# Allegro board reServer industrial J401 Carrier Board v11.brd (continued)
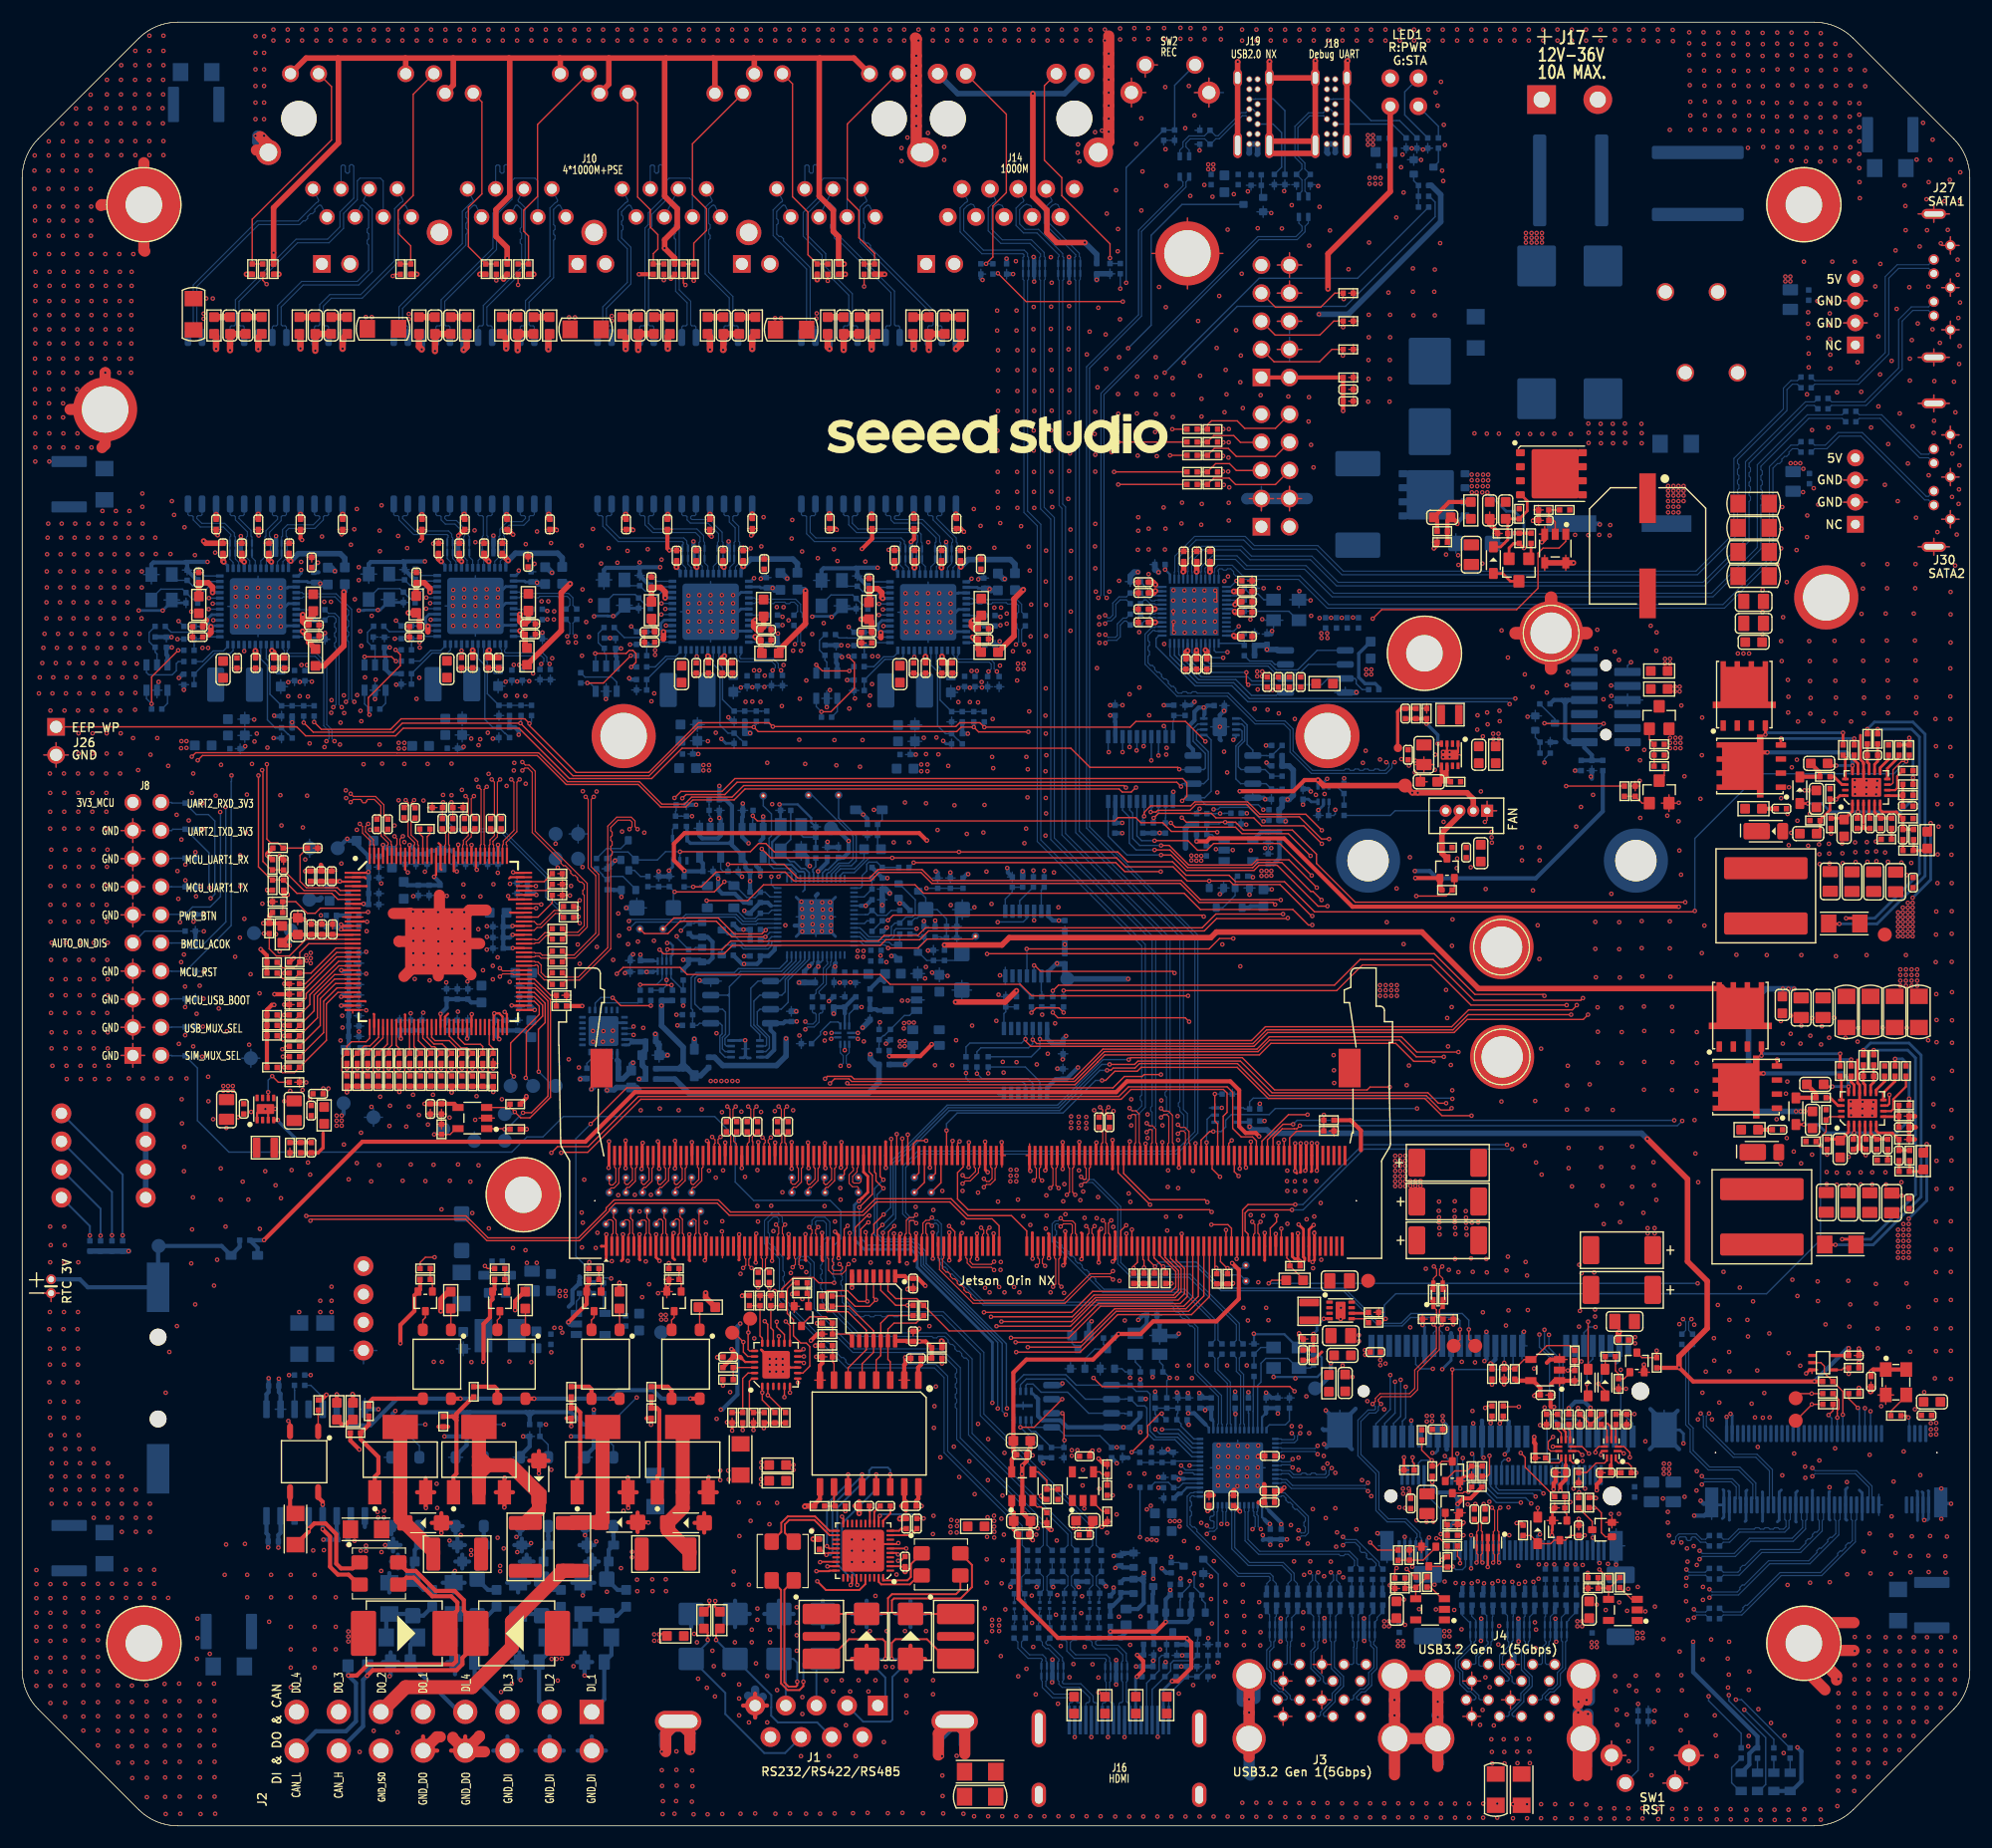
[diagram p0: board, top side]
## Routing (per net, layer and track width the routed paths; a pad name or vN(x,y) marks a point on that pad's centre or on a via; arc(x,y) is an arc through that point) (continued)
  TOP w0.178: 85.53,61.73 85.53,61.75 v1(85.55,61.77)
  TOP w0.203: 44.01,85.62 44.12,85.73 U63.95 ; U45.4 139.48,35.6 139.22,35.86 ; 31.05,85.62 30.95,85.73 U63.2 ; 30.88,81.76 30.84,81.73 U63.12 ; U63.50 38.21,73.11 38.5,73.4 ; 37.89,86.39 37.81,86.48 U63.112 37.81,88.64 37.63,88.81 ; U51.9 69.39,41.42 69.16,41.66 v1(68.72,41.66) ; U63.30 31,74.53 31.03,74.49 ; v1(44.24,74.14) 44.25,74.13 U63.66 ; U63.34 31.81,73.33 31.76,73.38 ; 32.2,86.48 32.21,86.49 U63.126 ; U63.104 41.01,86.48 v1(41.09,86.41) ; U63.90 44,83.73 43.98,83.74 ; U63.41 34.61,73.3 34.58,73.32 ; U64.1 21.23,64.41 21.61,64.78 v1(21.98,64.78) 22.23,64.53 U64.3 ; U63.4 31.11,84.93 31.13,84.91 ; U63.109 39.01,86.28 39,86.28 ; U63.120 34.61,86.43 34.64,86.41 ; 42.61,71.04 42.61,71.04 U63.61 42.61,73.27 42.66,73.33 v1(42.66,73.43) 43.12,73.43 43.41,73.14 U63.63 ; U63.87 44.13,82.53 44.11,82.54 ; 143.26,36.37 143.54,36.08 143.54,35.95 143.6,35.89 U46.4 ; v1(40.63,73.35) 40.61,73.33 U63.56 ; U77.3 128.75,97.04 U77.9 129.52,96.79 129.75,97.03 U77.1 ; U43.8 132.44,23.4 v1(132.43,23.39)
  TOP w0.254: 115.29,51.25 115.28,51.26 J9.243 v1(115.28,53.55) ; 115.29,51.25 115.43,51.11 v1(115.43,51.03) ; 115.29,51.25 114.98,51.25 114.78,51.44 J9.241 114.78,53.49 114.75,53.52 ; 166.11,98.55 166.11,96.37 166.38,96.1 166.38,95.97 166.39,95.96 U31.14 166.39,94.1 v1(166.64,93.85) ; 116.78,53.7 116.78,53.6 ; 116.78,53.6 J9.249 116.78,51.13 v1(116.6,50.95) ; 116.78,53.6 v1(116.75,53.57) ; v1(82.28,53.6) J9.119 82.28,51.28 v1(82.3,51.26) ; v1(58.87,53.57) 58.87,53.53 58.78,53.44 J9.25 58.78,51.35 58.97,51.16 ; 63.53,61.81 v1(63.53,61.75) J9.44 ; J9.1 52.35,52.38 52.34,52.38 ; J9.1 52.78,51.29 52.75,51.26 ; J9.1 52.78,53.44 v1(52.79,53.45) ; 166.04,61.62 166.53,61.13 ; 166.04,61.62 165.54,61.13 ; 166.04,61.62 U25.3 ; 166.04,61.62 166.04,61.35 ; 166.53,61.13 166.26,61.13 ; 166.53,61.13 C116.2 ; v1(116.53,61.7) J9.248 116.53,59.16 116.48,59.11 ; v1(117.01,61.67) 117.03,61.65 J9.250 117.03,59.26 v1(116.98,59.21) ; v1(61.69,51.11) 61.78,51.2 J9.37 61.78,53.44 v1(61.79,53.45) ; C222.2 v1(140.66,27.74) ; v1(66.51,61.79) 66.53,61.77 J9.56 ; D66.1 v1(129.32,45.31) ; v1(94.02,61.78) 94.03,61.77 J9.158 94.03,59.37 v1(94.02,59.36) 94.02,59.31 ; v1(112.28,53.59) J9.231 112.28,51.11 112.29,51.11 ; v1(73.45,53.7) 73.78,53.37 J9.85 v1(73.78,51.3) ; 92.73,53.55 92.78,53.49 J9.153 v1(92.78,51.29) ; J9.38 62.03,61.76 v1(61.89,61.9) ; 165.82,61.13 165.54,61.13 ; 165.82,61.13 166.26,61.13 ; 165.82,61.13 166.04,61.35 ; 165.54,61.13 C112.2 ; 166.17,90.14 166.39,90.36 166.61,90.14 ; 166.17,90.14 C128.2 ; 166.17,90.14 166.61,90.14 ; v1(97.5,53.95) 97.28,53.73 J9.171 v1(97.28,50.91) ; J9.50 v1(65.03,59.45) ; v1(69.54,61.78) 69.53,61.77 J9.68 69.53,59.39 v1(69.54,59.39) ; 115.49,59.06 115.53,59.1 J9.244 v1(115.53,61.67) ; 55.85,51.13 55.78,51.2 J9.13 55.78,53.44 v1(55.79,53.45) ; v1(95.53,61.8) J9.164 ; v1(66.34,53.52) 66.34,53.5 66.28,53.44 J9.55 66.28,50.91 v1(66.29,50.9) ; v1(87.25,59.07) 87.03,59.29 J9.138 87.03,61.81 v1(87.01,61.83) ; v1(79.37,53.49) 79.28,53.41 J9.107 79.28,50.96 79.29,50.95 ; v1(57.45,61.85) 57.53,61.77 J9.20 57.53,59.42 v1(57.57,59.39) ; J9.144 88.53,61.76 v1(88.51,61.78) ; 115.18,58.98 115.03,59.13 v1(115.03,59.18) J9.242 v1(115.03,61.68) ; 165.85,69.22 165.85,67.14 166.04,66.96 U25.14 166.04,65.09 U25.21 ; v1(56.08,61.72) 56.03,61.68 J9.14 56.03,59.53 55.97,59.47 v1(55.97,59.36) ; 166.26,61.13 166.04,61.35 ; D65.1 v1(126.55,45.26) ; 54.14,51.06 54.28,51.19 J9.7 54.28,53.44 v1(54.29,53.45) ; v1(129.95,30.47) 129.9,30.52 Q26.2 129.9,31.22 130.23,31.55 130.29,31.55 130.33,31.59 R305.2 ; 66.79,43.02 68.13,41.68 U51.25 ; v1(72.28,53.59) J9.79 72.28,51.13 72.36,51.06 ; v1(52.99,59.46) 53.03,59.5 J9.2 v1(53.03,61.85) ; v1(83.78,53.62) J9.125 v1(83.78,51.11) ; v1(94.07,50.65) 94.23,50.8 94.23,51.21 94.23,51.21 94.23,51.32 94.28,51.37 J9.159 94.28,53.69 v1(94.25,53.72) ; R326.2 138.28,28.53 Q33.2 138.28,26.76 138.24,26.71 v1(138.24,26.26) ; v1(98.55,51) 98.78,51.23 J9.177 98.78,53.66 98.75,53.7 ; v1(80.78,53.55) J9.113 80.78,51.2 80.61,51.03 ; v1(115.94,59.21) 116.03,59.3 J9.246 v1(116.03,61.7) ; v1(69.26,53.47) 69.28,53.45 J9.67 69.28,51.33 69.21,51.26 ; v1(116.7,54.3) 116.28,53.88 J9.247 116.28,51.09 116.27,51.08 ; U43.3 U43.8 ; v1(60.52,61.78) 60.53,61.76 J9.32 ; J9.146 91.03,59.26 v1(91.1,59.18) ; 64.76,51.13 64.78,51.15 J9.49 64.78,53.44 v1(64.79,53.45) ; J9.201 v1(104.78,53.51) ; v1(73.98,59.49) 74.03,59.54 J9.86 v1(74.03,61.78) 74.01,61.8 ; v1(72.53,61.7) 72.53,61.7 J9.80 72.53,59.49 v1(72.59,59.44) ; v1(86.3,51.23) 86.28,51.25 J9.135 v1(86.28,53.52) ; J9.152 92.53,59.32 v1(92.45,59.24) ; 70.83,51.08 70.78,51.13 J9.73 v1(70.78,53.47) ; v1(124.86,33.3) R291.2 ; v1(59,61.9) 59.03,61.87 J9.26 59.03,59.46 v1(58.99,59.41) ; 60.34,51.06 60.28,51.12 J9.31 60.28,53.44 v1(60.29,53.45) ; U34.3 161.53,41.21 v1(161.21,40.88) ; R383.2 v1(64.16,35.72) ; v1(87.78,53.53) J9.141 ; v1(57.6,51.06) 57.28,51.37 J9.19 57.28,53.44 v1(57.29,53.45) ; 91.28,53.6 J9.147 91.28,51.28 v1(91.3,51.26) ; v1(95.72,51.21) 95.72,51.29 95.78,51.34 J9.165 95.78,53.51 95.7,53.6 ; v1(71.06,59.44) 71.03,59.47 J9.74 71.03,61.73 v1(71.01,61.75) ; 85.53,61.73 J9.132 v1(85.53,59.51) ; v1(54.53,61.93) 54.53,61.92 J9.8 v1(54.53,59.44) ; 166.61,90.14 C127.2 ; 98.52,59.36 98.53,59.37 J9.176 v1(98.53,61.98) ; 78.02,61.83 78.03,61.82 J9.102 78.03,59.48 v1(78.05,59.46) ; 166.39,90.63 U31.3 ; 115.89,51.11 115.89,51.3 115.78,51.41 J9.245 115.78,53.91 v1(115.35,54.35) ; 84.65,51.06 84.78,51.19 J9.129 84.78,53.45 v1(84.9,53.57) ; v1(68.04,61.75) 68.03,61.74 J9.62 ; J9.61 67.78,51.08 v1(67.76,51.06) ; R381.2 v1(66.09,35.77) ; J9.200 v1(104.53,59.49) ; J9.170 97.03,61.71 v1(97.07,61.75)
  TOP w0.381: U53.3 138.07,42.14 137.77,41.85 ; v1(35.98,116.16) 36.13,116.31 C425.2 ; v1(127.57,115.45) 127.86,115.74 R369.2 ; v1(97.26,33.19) 97.77,32.68 R222.2 ; v1(138.38,30.42) 138.38,30.94 138.56,31.12 C221.2 ; R346.2 58.44,48.95 v1(58.35,48.87) 58.25,48.77 Q39.2 ; C167.2 96.43,26.68 v1(96.31,26.8) 96.37,26.8 96.75,27.18 C163.2 ; 111.73,29.21 111.75,29.23 C18.2 C19.2 112.25,30.85 112.21,30.89 ; D10.1 v1(60.69,139.63) ; v1(58.63,139.82) 58.97,140.15 D3.1 ; C495.2 80.59,116.29 v1(80.32,116.02) ; C225.2 79.88,42.26 v1(79.8,42.34) 79.8,41.75 79.7,41.65 79.7,40.3 ; C156.2 96.47,33.66 v1(96.72,33.91) ; R504.2 v1(32.19,68.46) ; 171.06,64.11 171.04,64.14 R178.2 C134.2 ; v1(165.98,43.13) C151.1 ; C38.2 107.68,29.88 ; C322.2 27.02,86.82 26.98,86.86 ; C322.2 27.48,86.28 v1(27.52,86.32) 27.55,86.28 C323.2 ; C322.2 C321.2 25.61,86.28 v1(25.59,86.26) ; v1(74.98,48.63) U47.7 74.98,49.85 ; v1(55.21,117.1) 55.15,117.15 C462.2 ; R461.2 v1(22.8,75.15) ; R74.2 115.38,44.37 v1(115.38,44.5) ; C502.2 73.49,117.23 v1(73.6,117.12) ; v1(75.89,115.39) 76.81,116.31 C496.2 ; C409.2 25.15,116.35 v1(25.29,116.21) ; R506.2 v1(33.13,68.46) ; R470.2 v1(23.69,72.33) ; R490.2 v1(29.34,68.45) ; v1(62.81,42.34) 62.85,42.38 C260.2 ; R514.2 v1(36.94,68.46) ; 23.63,84.52 23.63,84.13 23.97,84.13 v1(23.99,84.15) 23.63,84.52 ; 23.63,84.52 C397.2 ; C415.2 17.53,116.78 v1(17.67,116.64) ; v1(34.18,43.61) 34.18,45.27 35.44,46.53 35.44,47.93 35.77,48.26 Q42.2 35.96,48.47 R349.2 ; C220.2 109.46,30.33 109.52,30.38 ; R233.2 v1(97.56,27) ; C293.2 138.11,37.91 138.17,37.85 v1(138.42,37.85) ; v1(21.38,116.61) 21.34,116.65 C410.2 ; R474.2 v1(23.69,68.55) ; v1(142.28,30.33) 142.28,30.85 142.62,31.19 C224.2 ; v1(65.88,116.61) 65.98,116.71 C297.2 ; v1(71.28,43.86) 71.87,44.45 R344.1 ; R478.2 v1(40.68,68.45) ; C419.2 39.97,117.15 v1(39.41,116.59) ; v1(81.07,44.94) 80.84,44.7 C228.2 ; C134.2 170.51,62.03 R180.2 171.01,62.03 171.04,62.05 ; C134.2 171.09,63.15 171.11,63.12 ; v1(136.52,117.93) 136.55,117.97 C249.2 137.02,117.98 R378.2 ; C218.2 v1(133.91,39.91) ; v1(92.06,29.81) 92.37,29.5 R224.2 ; 138.17,39.93 138.48,40.24 U53.1 138.93,40.22 R316.2 ; v1(44.37,116.69) 43.9,117.15 C418.2 ; C417.2 48.25,117.15 v1(48.3,117.1) ; R319.1 136.73,34.53 136.63,34.63 v1(136.63,35.15) ; R348.2 42.69,48.47 Q41.2 42.5,47.59 42.28,47.36 42.28,45.95 41.69,45.36 41.69,41.96 v1(41.67,41.93) ; R236.2 92.59,27.06 92.91,26.75 v1(93.01,26.75) ; C408.2 28.96,116.81 v1(28.87,116.72) ; v1(49.36,45.52) 51.01,47.17 Q40.2 51.01,48.74 51.2,48.93 R347.2 ; v1(137.33,116) 137.58,116.26 U49.3 ; v1(58.49,115.27) 58.31,115.45 C456.2 ; R372.2 133.32,116.96 v1(132.81,117.46) ; R466.2 v1(23.69,77.06) ; C494.2 84.82,117.23 v1(85.11,116.94) ; R468.2 v1(23.69,73.27) ; v1(130.24,27.41) 130.05,27.22 R297.2 129.7,28.09 Q25.2 ; R500.2 v1(30.28,68.46) ; R464.2 v1(24.52,78.41) ; R462.2 v1(23.69,74.21) ; R482.2 v1(41.62,68.45) ; C229.2 80.06,48.55 v1(80,48.49) ; D71.1 v1(55.74,140.22) ; v1(62.3,116.51) 62.14,116.67 C455.2 ; R492.2 v1(37.86,68.46) ; R496.2 v1(39.74,68.45) ; C20.2 111.72,33.43 v1(111.66,33.37) ; R472.2 v1(23.69,71.39) ; R508.2 v1(34.07,68.46) ; R494.2 v1(38.8,68.45) ; 72.08,40.3 72.08,41.61 72.3,41.82 R335.1 v1(71.76,42.39) ; D45.1 115.48,50.99 v1(115.43,51.03) ; R512.2 v1(36,68.46) ; v1(91.32,25.82) 90.96,26.18 C168.2 91.12,26.51 C164.2 90.37,28.29 U36.2 v1(90.37,32.57) 90.79,32.98 C155.2 90.79,33.74 v1(91.03,33.98) 91.09,34.05 C154.2 ; R510.2 v1(35.03,68.46) ; R498.2 v1(31.22,68.46) ; R460.2 v1(23.69,76.09) ; R484.2 v1(42.56,68.45) ; v1(146.55,41.68) 146.55,41.1 ; C398.2 v1(23.28,87.64)
  TOP w0.508: v1(140.18,114.14) U49.5 U49.4 ; D102.1 43.5,139.89 v1(43.5,139.78) ; v1(144.32,44.64) 144.25,44.57 C226.1 ; D100.1 v1(20.27,140.22) ; D96.1 v1(23.2,140.22) ; D73.1 v1(77.94,140.22) ; C251.2 132.61,117.67 v1(132.81,117.46) ; D74.1 v1(71.84,139.72) ; C281.2 16.6,115.91 v1(16.4,116.11) ; D97.1 v1(35.67,140.22) ; D103.1 v1(46.24,140.22) ; v1(167.02,39.25) 167.07,39.29 C179.2 ; D104.1 v1(41.36,140.22) ; D72.1 v1(74.38,140.22)
  TOP w1.016: v1(37.61,79.93) 37.8,79.73 41.34,79.73 ; v1(37.61,79.93) 37.61,79.86 ; v1(37.61,79.93) 35.08,82.45 33.55,82.45 ; v1(37.61,79.93) 37.71,80.03 ; v1(37.61,79.93) 34.06,79.93 34.05,79.94 ; 37.61,79.86 37.61,79.86 ; 37.61,79.86 34.51,76.76 ; 37.61,79.86 37.61,76.81 ; 37.61,79.86 40.56,76.91 ; 37.71,80.03 40.44,82.76 41.93,82.76 ; 37.71,80.03 37.71,84.1
  TOP w1.143: 134.95,107.78 MH16.1 ; MH16.1 141.37,107.78 ; MH16.1 138.16,110.99 ; MH16.1 138.16,104.58
  PWR02 w0.635: 173.59,121.89 J30.G2 ; J30.G2 174.9,121.89 ; J30.G2 174.24,121.24 ; J30.G2 174.24,122.54 ; J30.G1 174.24,126.35 ; J30.G1 174.9,125.7 ; J30.G1 174.24,125.05 ; J30.G1 173.59,125.7 ; J28.2 165.66,136.76 ; J28.2 165.66,134.88 ; J28.2 166.6,135.82 ; J28.2 164.72,135.82 ; 174.24,138.36 J27.G2 ; J27.G2 174.9,139.01 ; J27.G2 174.24,139.66 ; J27.G2 173.59,139.01 ; 165.66,118.68 J29.2 ; J29.2 165.66,120.56 ; J29.2 166.6,119.62 ; J29.2 164.72,119.62 ; 172.74,132.08 J27.S2 ; J27.S2 172.74,133.34 ; J27.S2 171.46,132.71 ; J27.S2 174.02,132.71 ; J30.G3 174.9,118.08 ; J30.G3 173.59,118.08 ; J30.G3 174.24,118.73 ; J30.G3 174.24,117.43 ; J29.3 166.6,121.62 ; J29.3 164.72,121.62 ; J29.3 165.66,122.56 ; J29.3 165.66,120.68 ; 172.74,145.04 J27.S1 ; J27.S1 174.02,145.67 ; J27.S1 172.74,146.3 ; J27.S1 171.46,145.67 ; 165.66,136.88 J28.3 ; J28.3 164.72,137.82 ; J28.3 165.66,138.76 ; J28.3 166.6,137.82 ; 174.24,134.55 J27.G3 ; J27.G3 174.9,135.2 ; J27.G3 174.24,135.85 ; J27.G3 173.59,135.2 ; J30.S2 172.74,116.22 ; J30.S2 174.02,115.59 ; J30.S2 171.46,115.59 ; J30.S2 172.74,114.96 ; J27.G1 174.24,143.47 ; J27.G1 173.59,142.82 ; J27.G1 174.9,142.82 ; J27.G1 174.24,142.17 ; J30.S1 174.02,128.55 ; J30.S1 172.74,127.92 ; J30.S1 172.74,129.18 ; J30.S1 171.46,128.55
  LAY3 w0.381: 113.94,12.29 J3.13 ; J3.13 113.14,13.09 ; J3.13 113.94,13.9 ; J3.13 114.75,13.09 ; 174.24,124.92 J30.G1 ; J30.G1 175.02,125.7 ; J30.G1 174.24,126.48 ; J30.G1 173.46,125.7 ; J8.11 10.01,83.39 ; J8.11 8.94,82.32 ; J8.11 11.07,82.32 ; J8.11 10.01,81.26 ; J8.1 10.01,70.69 ; J8.1 8.94,69.62 ; J8.1 11.07,69.62 ; J8.1 10.01,68.56 ; 174.24,142.04 J27.G1 ; J27.G1 174.24,143.6 ; J27.G1 175.02,142.82 ; J27.G1 173.46,142.82 ; 10.01,88.88 J8.17 ; J8.17 10.01,91.01 ; J8.17 8.94,89.94 ; J8.17 11.07,89.94 ; J8.7 10.01,78.31 ; J8.7 8.94,77.24 ; J8.7 10.01,76.18 ; J8.7 11.07,77.24 ; 111.98,118.84 J25.3 ; J25.3 113.09,119.94 ; J25.3 111.98,121.05 ; J25.3 110.88,119.94 ; 133.69,11.39 J4.7 ; J4.7 134.49,12.2 ; J4.7 134.49,10.59 ; J4.7 135.3,11.39 ; 133.69,14.59 J4.16 ; J4.16 135.3,14.59 ; J4.16 134.49,15.4 ; J4.16 134.49,13.79 ; 171.34,145.67 J27.S1 ; J27.S1 174.15,145.67 ; J27.S1 172.74,146.42 ; J27.S1 172.74,144.91 ; 174.24,138.23 J27.G2 ; J27.G2 175.02,139.01 ; J27.G2 173.46,139.01 ; J27.G2 174.24,139.79 ; J27.S2 174.15,132.71 ; J27.S2 171.34,132.71 ; J27.S2 172.74,133.46 ; J27.S2 172.74,131.95 ; SW2.3 107.24,157.94 ; SW2.3 107.24,155.33 ; SW2.3 105.93,156.64 ; J8.15 11.07,87.4 ; J8.15 8.94,87.4 ; J8.15 10.01,88.47 ; J8.15 10.01,86.34 ; J28.3 165.66,138.89 ; J28.3 164.59,137.82 ; J28.3 166.72,137.82 ; 101.49,158.03 SW2.2 102.59,159.14 ; 113.14,9.89 J3.4 ; J3.4 113.94,10.7 ; J3.4 114.75,9.89 ; J3.4 113.94,9.09 ; 150.62,5.06 SW1.4 ; SW1.4 149.31,6.36 ; SW1.4 151.93,6.36 ; SW1.4 150.62,7.67 ; 114.52,134.86 J15.6 ; J15.6 113.42,135.97 ; J15.6 115.63,135.97 ; J15.6 114.52,137.07 ; 130.99,12.29 J4.13 ; J4.13 130.19,13.09 ; J4.13 130.99,13.9 ; J4.13 131.8,13.09 ; 116.64,14.59 J3.16 ; J3.16 117.44,15.4 ; J3.16 118.25,14.59 ; J3.16 117.44,13.79 ; 165.66,122.69 J29.3 166.72,121.62 ; J28.2 166.72,135.82 ; J28.2 165.66,134.76 ; J28.2 164.59,135.82 ; 148.26,3.86 SW1.2 ; SW1.2 150.48,3.86 ; SW1.2 149.37,4.97 ; J7.1 132.38,92.59 ; J7.1 132.38,90.88 ; J7.1 133.23,91.73 ; 10.01,73.64 J8.5 ; J8.5 11.07,74.7 ; J8.5 10.01,75.77 ; J8.5 8.94,74.7 ; SW2.4 100.24,157.94 ; SW2.4 101.54,156.64 ; SW2.4 100.24,155.33 ; 172.74,114.83 J30.S2 ; J30.S2 172.74,116.35 ; J30.S2 174.15,115.59 ; J30.S2 171.34,115.59 ; J30.S1 172.74,129.31 ; J30.S1 171.34,128.55 ; J30.S1 174.15,128.55 ; J30.S1 172.74,127.79 ; J27.G3 175.02,135.2 ; J27.G3 174.24,134.42 ; J27.G3 173.46,135.2 ; J27.G3 174.24,135.98 ; 143.62,5.06 SW1.3 ; SW1.3 144.93,6.36 ; SW1.3 143.62,7.67 ; J30.G3 175.02,118.08 ; J30.G3 174.24,117.3 ; J30.G3 173.46,118.08 ; J30.G3 174.24,118.86 ; J15.10 115.63,141.05 ; J15.10 113.42,141.05 ; J15.10 114.52,142.15 ; 113.42,133.43 J15.4 ; J15.4 114.52,134.53 ; J15.4 115.63,133.43 ; J15.4 114.52,132.32 ; 174.24,121.11 J30.G2 ; J30.G2 175.02,121.89 ; J30.G2 173.46,121.89 ; J30.G2 174.24,122.67 ; J26.2 4.17,96.78 ; J26.2 3.07,97.88 ; J26.2 1.96,96.78 ; J26.2 3.07,95.67 ; 105.3,139.64 MH13.1 ; MH13.1 105.3,144.56 ; MH13.1 107.76,142.1 ; MH13.1 102.84,142.1 ; 130.19,9.89 J4.4 ; J4.4 130.99,9.09 ; J4.4 131.8,9.89 ; J3.7 118.25,11.39 ; J3.7 116.64,11.39 ; J3.7 117.44,10.59 ; J3.7 117.44,12.2 ; J12.1 3.37,48.14 ; J12.1 1.86,48.14 ; J12.1 2.62,47.38 ; J15.8 115.63,138.51 ; J15.8 113.42,138.51 ; J15.8 114.52,137.4 ; 10.01,71.1 J8.3 ; J8.3 10.01,73.23 ; J8.3 11.07,72.16 ; J8.3 8.94,72.16 ; 10.01,83.8 J8.13 ; J8.13 11.07,84.86 ; J8.13 8.94,84.86 ; J8.13 10.01,85.93 ; 114.52,118.84 J25.4 ; J25.4 114.52,121.05 ; J25.4 113.42,119.94 ; J25.4 115.63,119.94
  LAY3 w1.143: 138.16,104.58 MH16.1 ; MH16.1 134.95,107.78 ; MH16.1 141.37,107.78 ; MH16.1 138.16,110.99
  LAY4 w0.381: 173.46,118.08 J30.G3 ; J30.G3 175.02,118.08 ; J30.G3 174.24,118.86 ; J30.G3 174.24,117.3 ; 105.3,139.64 MH13.1 ; MH13.1 105.3,144.56 ; MH13.1 102.84,142.1 ; MH13.1 107.76,142.1 ; 8.94,72.16 J8.3 ; J8.3 10.01,73.23 ; J8.3 11.07,72.16 ; J8.3 10.01,71.1 ; J27.S2 172.74,133.46 ; J27.S2 172.74,131.95 ; J27.S2 171.34,132.71 ; J27.S2 174.15,132.71 ; J29.2 166.72,119.62 ; J29.2 164.59,119.62 ; J29.2 165.66,118.55 ; 117.44,10.59 J3.7 ; J3.7 116.64,11.39 ; J3.7 117.44,12.2 ; 134.49,10.59 J4.7 ; J4.7 133.69,11.39 ; J4.7 134.49,12.2 ; J8.1 10.01,70.69 ; J8.1 10.01,68.56 ; J8.1 8.94,69.62 ; J8.1 11.07,69.62 ; J27.G3 174.24,135.98 ; J27.G3 175.02,135.2 ; J27.G3 174.24,134.42 ; J27.G3 173.46,135.2 ; J28.3 165.66,138.89 ; J28.3 166.72,137.82 ; J28.3 164.59,137.82 ; 8.94,77.24 J8.7 ; J8.7 10.01,76.18 ; J8.7 11.07,77.24 ; J8.7 10.01,78.31 ; 172.74,144.91 J27.S1 ; J27.S1 171.34,145.67 ; J27.S1 174.15,145.67 ; J27.S1 172.74,146.42 ; J4.13 130.99,13.9 ; J4.13 131.8,13.09 ; J4.13 130.19,13.09 ; J4.13 130.99,12.29 ; J3.13 114.75,13.09 ; J3.13 113.94,13.9 ; J3.13 113.14,13.09 ; J3.13 113.94,12.29 ; 172.74,114.83 J30.S2 ; J30.S2 174.15,115.59 ; J30.S2 172.74,116.35 ; J30.S2 171.34,115.59 ; 2.62,47.38 J12.1 ; J12.1 1.86,48.14 ; J12.1 3.37,48.14 ; 113.42,135.97 J15.6 ; J15.6 115.63,135.97 ; J15.6 114.52,134.86 ; J15.6 114.52,137.07 ; 1.96,96.78 J26.2 ; J26.2 3.07,97.88 ; J26.2 3.07,95.67 ; J26.2 4.17,96.78 ; SW1.4 151.93,6.36 ; SW1.4 150.62,7.67 ; SW1.4 149.31,6.36 ; SW1.4 150.62,5.06 ; 148.26,3.86 SW1.2 ; SW1.2 149.37,4.97 ; SW1.2 150.48,3.86 ; J27.G1 175.02,142.82 ; J27.G1 174.24,142.04 ; J27.G1 174.24,143.6 ; J27.G1 173.46,142.82 ; J8.11 10.01,83.39 ; J8.11 10.01,81.26 ; J8.11 11.07,82.32 ; J8.11 8.94,82.32 ; 113.14,9.89 J3.4 ; J3.4 113.94,9.09 ; J3.4 113.94,10.7 ; J3.4 114.75,9.89 ; SW2.3 107.24,157.94 ; SW2.3 105.93,156.64 ; SW2.3 108.54,156.64 ; SW2.3 107.24,155.33 ; J28.2 166.72,135.82 ; J28.2 164.59,135.82 ; J28.2 165.66,134.76 ; 113.42,138.51 J15.8 ; J15.8 114.52,137.4 ; J15.8 114.52,139.61 ; J15.8 115.63,138.51 ; 101.49,158.03 SW2.2 102.59,159.14 ; J3.16 117.44,15.4 ; J3.16 116.64,14.59 ; J3.16 117.44,13.79 ; J29.3 166.72,121.62 ; J29.3 165.66,122.69 ; J29.3 164.59,121.62 ; 10.01,73.64 J8.5 ; J8.5 11.07,74.7 ; J8.5 10.01,75.77 ; J8.5 8.94,74.7 ; J8.13 10.01,85.93 ; J8.13 11.07,84.86 ; J8.13 10.01,83.8 ; J8.13 8.94,84.86 ; SW2.4 101.54,156.64 ; SW2.4 100.24,157.94 ; SW2.4 100.24,155.33 ; 8.94,89.94 J8.17 ; J8.17 11.07,89.94 ; J8.17 10.01,88.88 ; J8.17 10.01,91.01 ; 174.24,138.23 J27.G2 ; J27.G2 174.24,139.79 ; J27.G2 173.46,139.01 ; J27.G2 175.02,139.01 ; J15.10 115.63,141.05 ; J15.10 113.42,141.05 ; J15.10 114.52,142.15 ; J15.10 114.52,139.94 ; J15.4 115.63,133.43 ; J15.4 113.42,133.43 ; J15.4 114.52,134.53 ; J15.4 114.52,132.32 ; J4.4 131.8,9.89 ; J4.4 130.99,9.09 ; J4.4 130.19,9.89 ; 173.46,121.89 J30.G2 ; J30.G2 174.24,121.11 ; J30.G2 175.02,121.89 ; J30.G2 174.24,122.67 ; J8.15 11.07,87.4 ; J8.15 8.94,87.4 ; J8.15 10.01,88.47 ; J8.15 10.01,86.34 ; 134.49,13.79 J4.16 ; J4.16 134.49,15.4 ; J4.16 133.69,14.59 ; 173.46,125.7 J30.G1 ; J30.G1 174.24,126.48 ; J30.G1 174.24,124.92 ; J30.G1 175.02,125.7 ; SW1.3 143.62,7.67 ; SW1.3 143.62,5.06 ; SW1.3 144.93,6.36 ; 171.34,128.55 J30.S1 ; J30.S1 174.15,128.55 ; J30.S1 172.74,129.31 ; J30.S1 172.74,127.79
  LAY4 w1.143: MH16.1 141.37,107.78 ; MH16.1 138.16,104.58 ; MH16.1 134.95,107.78 ; MH16.1 138.16,110.99
  GND05 w0.305: J19.A1 110.69,157.63 110.69,157.46 ; 111.9,157.43 111.9,157.57 J19.B12 ; J18.B12 118.92,157.57 118.92,157.43 ; 117.7,157.46 117.7,157.63 J18.A1
  GND05 w0.381: 9.07,74.7 J8.5 ; J8.5 10.01,75.64 ; J8.5 10.01,73.76 ; J8.5 10.95,74.7 ; J3.13 114.62,13.09 ; J3.13 113.94,12.41 ; J3.13 113.94,13.77 ; J3.13 113.26,13.09 ; J29.2 165.66,120.56 ; J29.2 165.66,118.68 ; J29.2 164.72,119.62 ; J29.2 166.6,119.62 ; 174.24,125.05 J30.G1 ; J30.G1 174.9,125.7 ; J30.G1 174.24,126.35 ; J30.G1 173.59,125.7 ; 102.97,142.1 MH13.1 ; MH13.1 105.3,139.77 ; MH13.1 107.63,142.1 ; MH13.1 105.3,144.43 ; J30.G3 174.9,118.08 ; J30.G3 173.59,118.08 ; J30.G3 174.24,118.73 ; J30.G3 174.24,117.43 ; J15.8 114.52,139.49 ; J15.8 114.52,137.53 ; J15.8 113.54,138.51 ; J15.8 115.5,138.51 ; 102.47,159.14 SW2.2 101.49,158.16 ; 113.54,135.97 J15.6 ; J15.6 115.5,135.97 ; J15.6 114.52,134.99 ; J15.6 114.52,136.95 ; 10.01,89 J8.17 ; J8.17 10.95,89.94 ; J8.17 10.01,90.88 ; J8.17 9.07,89.94 ; J8.11 10.95,82.32 ; J8.11 9.07,82.32 ; J8.11 10.01,83.26 ; J8.11 10.01,81.38 ; 164.72,135.82 J28.2 ; J28.2 165.66,136.76 ; J28.2 166.6,135.82 ; J28.2 165.66,134.88 ; SW1.4 150.62,7.54 ; SW1.4 149.44,6.36 ; SW1.4 150.62,5.19 ; SW1.4 151.8,6.36 ; 111.98,118.96 J25.3 ; J25.3 111,119.94 ; J25.3 112.96,119.94 ; J25.3 111.98,120.92 ; 130.31,13.09 J4.13 ; J4.13 131.67,13.09 ; J4.13 130.99,13.77 ; J4.13 130.99,12.41 ; J3.4 114.62,9.89 ; J3.4 113.26,9.89 ; J3.4 113.94,10.57 ; J3.4 113.94,9.21 ; 173.59,121.89 J30.G2 ; J30.G2 174.24,122.54 ; J30.G2 174.24,121.24 ; J30.G2 174.9,121.89 ; J15.4 115.5,133.43 ; J15.4 114.52,132.45 ; J15.4 113.54,133.43 ; J15.4 114.52,134.41 ; J15.10 114.52,142.03 ; J15.10 114.52,140.07 ; J15.10 113.54,141.05 ; J15.10 115.5,141.05 ; J27.S2 172.74,133.34 ; J27.S2 171.46,132.71 ; J27.S2 174.02,132.71 ; J27.S2 172.74,132.08 ; U10.1 31.92,42.96 ; U10.1 29.77,42.96 ; U10.1 30.84,41.88 ; J8.15 10.95,87.4 ; J8.15 10.01,86.46 ; J8.15 9.07,87.4 ; J8.15 10.01,88.34 ; 173.59,135.2 J27.G3 ; J27.G3 174.24,135.85 ; J27.G3 174.24,134.55 ; J27.G3 174.9,135.2 ; J12.1 3.24,48.14 ; J12.1 1.99,48.14 ; J12.1 2.62,47.51 ; 133.81,14.59 J4.16 ; J4.16 134.49,13.91 ; J4.16 134.49,15.27 ; J4.16 135.17,14.59 ; J28.3 166.6,137.82 ; J28.3 164.72,137.82 ; J28.3 165.66,138.76 ; J28.3 165.66,136.88 ; J25.4 114.52,120.92 ; J25.4 115.5,119.94 ; J25.4 113.54,119.94 ; J25.4 114.52,118.96 ; 10.01,71.22 J8.3 ; J8.3 10.01,73.1 ; J8.3 10.95,72.16 ; J8.3 9.07,72.16 ; 130.99,9.21 J4.4 ; J4.4 130.99,10.57 ; J4.4 131.67,9.89 ; J4.4 130.31,9.89 ; 107.24,155.46 SW2.3 ; SW2.3 106.06,156.64 ; SW2.3 108.42,156.64 ; SW2.3 107.24,157.81 ; 9.07,77.24 J8.7 ; J8.7 10.95,77.24 ; J8.7 10.01,78.18 ; J8.7 10.01,76.3 ; J4.7 135.17,11.39 ; J4.7 134.49,10.71 ; J4.7 133.81,11.39 ; J4.7 134.49,12.07 ; SW2.4 101.42,156.64 ; SW2.4 100.24,157.81 ; SW2.4 100.24,155.46 ; 172.74,145.04 J27.S1 ; J27.S1 172.74,146.3 ; J27.S1 174.02,145.67 ; J27.S1 171.46,145.67 ; 164.72,121.62 J29.3 ; J29.3 166.6,121.62 ; J29.3 165.66,122.56 ; J29.3 165.66,120.68 ; J8.1 10.01,70.56 ; J8.1 10.01,68.68 ; J8.1 10.95,69.62 ; J8.1 9.07,69.62 ; SW1.2 150.35,3.86 ; SW1.2 149.37,4.84 ; SW1.2 148.39,3.86 ; 3.07,95.8 J26.2 ; J26.2 2.09,96.78 ; J26.2 4.04,96.78 ; J26.2 3.07,97.75 ; J3.16 117.44,15.27 ; J3.16 118.12,14.59 ; J3.16 116.76,14.59 ; J3.16 117.44,13.91 ; 174.24,142.17 J27.G1 ; J27.G1 174.9,142.82 ; J27.G1 174.24,143.47 ; J27.G1 173.59,142.82 ; J30.S1 174.02,128.55 ; J30.S1 172.74,129.18 ; J30.S1 172.74,127.92 ; J30.S1 171.46,128.55 ; 174.24,138.36 J27.G2 ; J27.G2 174.24,139.66 ; J27.G2 173.59,139.01 ; J27.G2 174.9,139.01 ; J8.13 10.01,85.8 ; J8.13 10.95,84.86 ; J8.13 10.01,83.92 ; J8.13 9.07,84.86 ; 132.38,91 J7.1 ; J7.1 132.38,92.46 ; J7.1 133.11,91.73 ; 116.76,11.39 J3.7 ; J3.7 118.12,11.39 ; J3.7 117.44,12.07 ; J3.7 117.44,10.71 ; J30.S2 174.02,115.59 ; J30.S2 171.46,115.59 ; J30.S2 172.74,116.22 ; J30.S2 172.74,114.96 ; 143.62,5.19 SW1.3 ; SW1.3 144.8,6.36 ; SW1.3 143.62,7.54
  GND05 w0.508: J18.B12 J18.A1 ; J19.A1 J19.B12
  GND05 w1.143: MH16.1 141.24,107.78 ; MH16.1 135.08,107.78 ; MH16.1 138.16,110.86 ; MH16.1 138.16,104.71
  GND05 w1.27: 30.32,41.43 30.32,42.44 U10.1 31.97,41.84 32.05,41.84